# Altium PCB C210_220601.PcbDoc (part 2 of 7)
Units mm, origin at the board's own origin, x right, y up, seen from the top; angles counter-clockwise.
Board outline 68 x 129.5 mm, 6 copper layers (L1, L2, L3, L4, L5, L6), stack 1.64 mm thick; 493 components, 295 nets, 1739 pads, 1829 vias.
Unrouted connection lines stored in the file: 306.
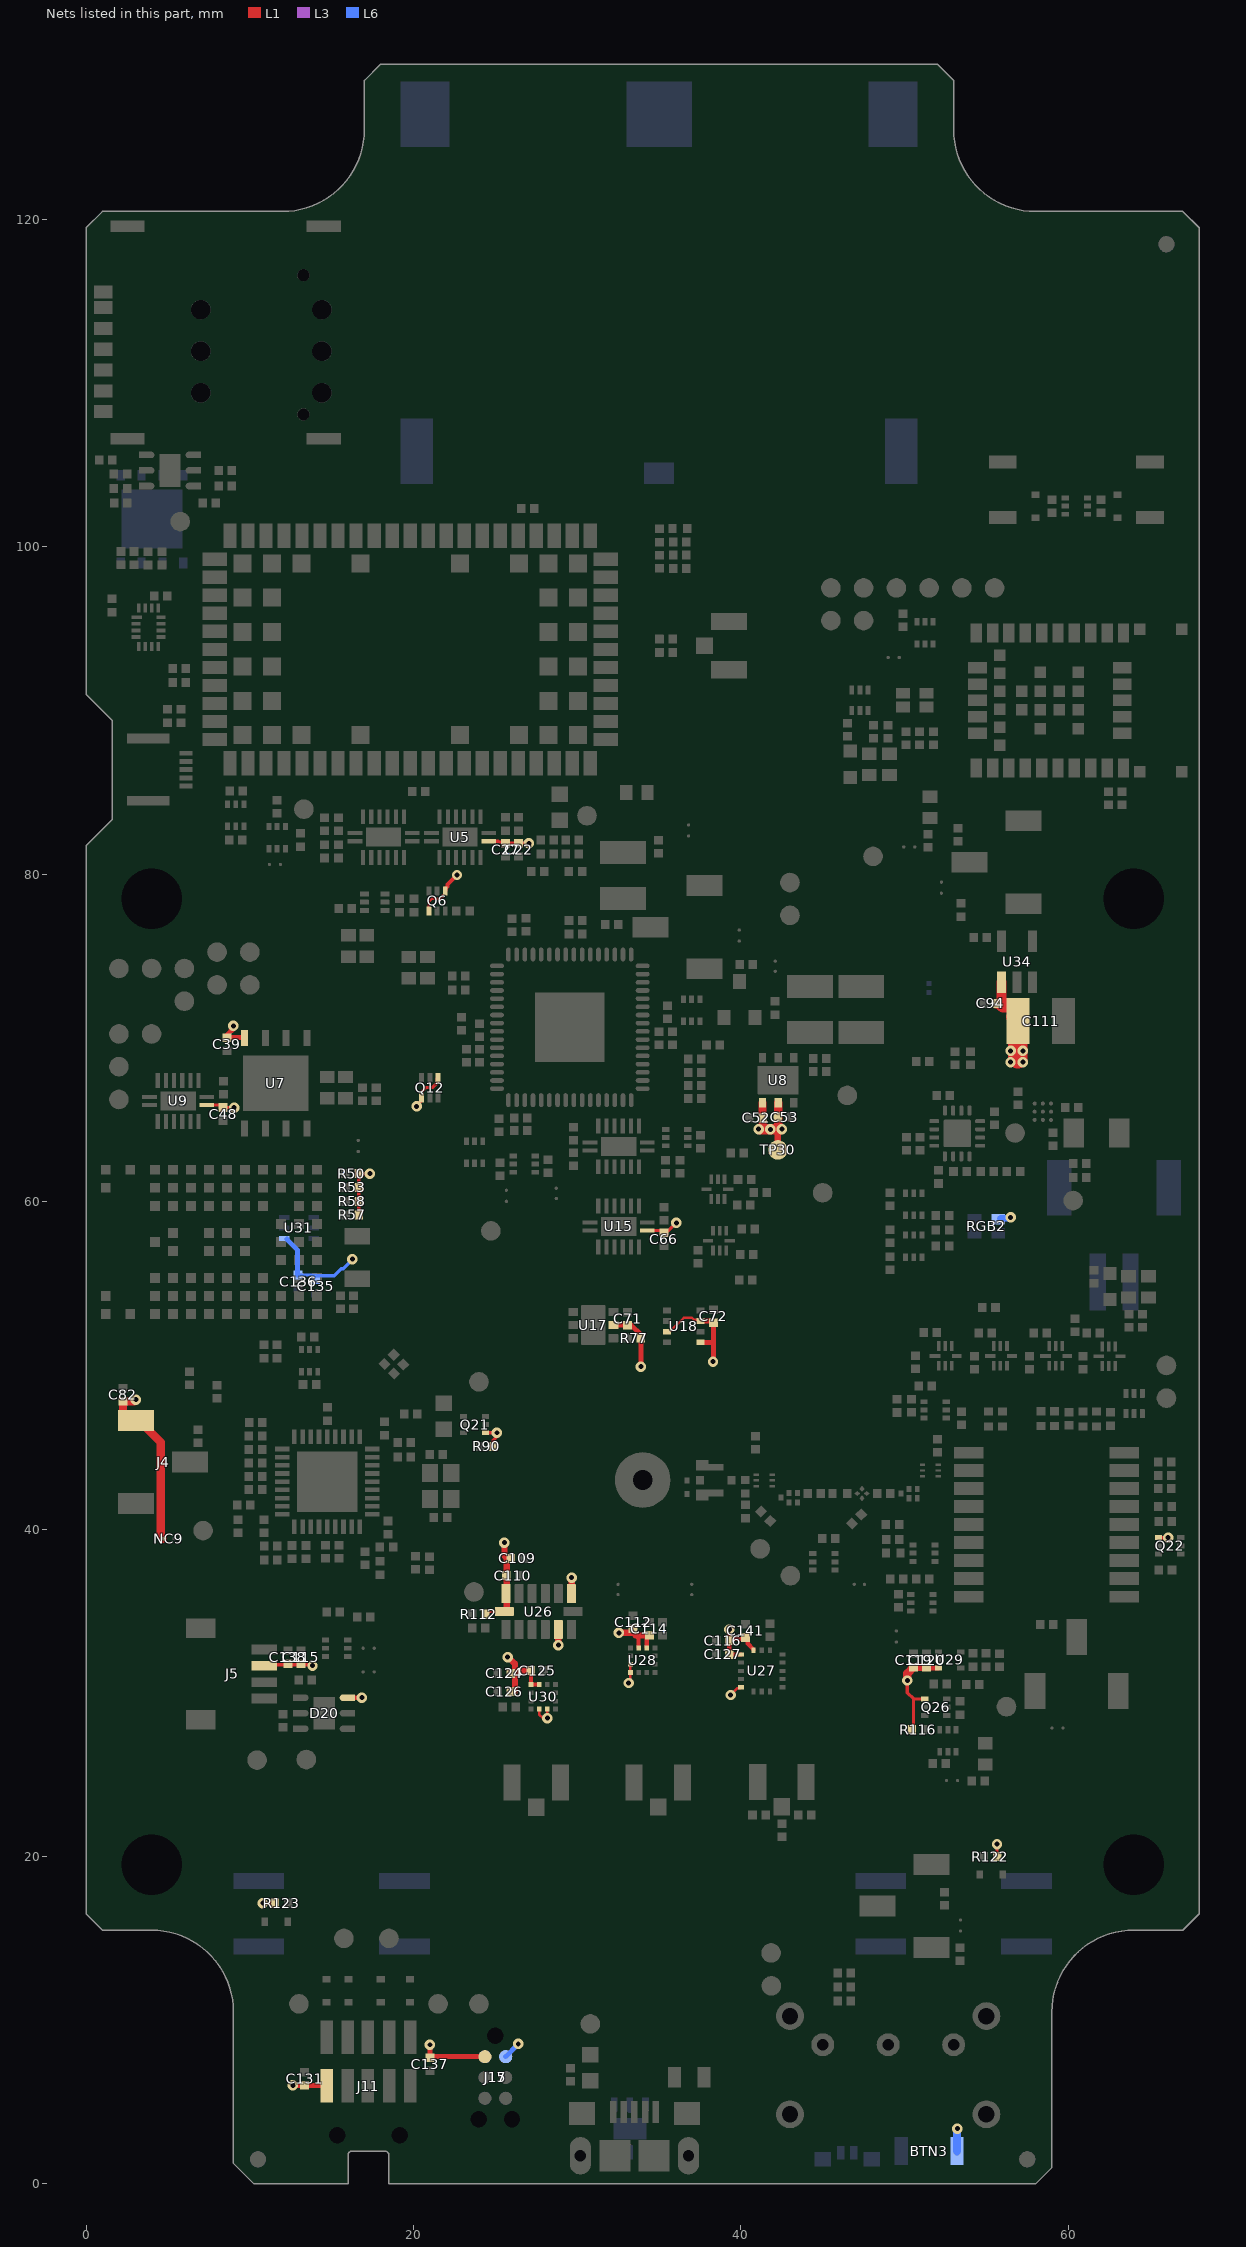
[diagram p6: the nets of this part, all layers, seen from the top]

## Footprints (in the part's own frame and the unit in brackets; to place one, negate y for a bottom-side part, rotate by r counter-clockwise, add the part's x,y. Pads: shape width x height; smd on the part's side, far side on the other; paste and mask are expansions set on the pad) (continued)
QFN0.4P3X1-8PIN [mm]
  rect 0.22x0.65 smd: 1(0,0.625)
  rect 0.6x0.22 smd: 2(-0.6,0.4) 3(-0.6,0) 4(-0.6,-0.4) 6(0.6,-0.4) 7(0.6,0) 8(0.6,0.4)
  rect 0.22x0.6 smd: 5(0,-0.7)
  silkscreen extent -0.63,-0.73 0.63,1.19, body extent -0.65,-0.75 0.65,0.75, height 0.5
QFN0.5P2X6-16PIN_W-PAD [mm]
  rect 0.9x0.25 smd paste-0.025 mask+0.05: 1(-1.75,-0.25) 8(1.75,-0.25) 9(1.75,0.25) 16(-1.75,0.25)
  rect 0.25x0.9 smd paste-0.025 mask+0.05: 2(-1.25,-1.25) 3(-0.75,-1.25) 4(-0.25,-1.25) 5(0.25,-1.25) 6(0.75,-1.25) 7(1.25,-1.25) 10(1.25,1.25) 11(0.75,1.25) 12(0.25,1.25) 13(-0.25,1.25) 14(-0.75,1.25) 15(-1.25,1.25)
  rect 2.15x1.15 smd paste-3 mask+0.05: 17(0,0)
  silkscreen extent -2.5,-1.45 1.95,1.45, body extent -1.8,-1.3 1.8,1.3, height 1
QFN0.5P3X3-16PIN_W-PAD [mm]
  rrect50% 0.6x0.24 smd: 1(-1.4,0.75) 2(-1.4,0.25) 3(-1.4,-0.25) 4(-1.4,-0.75) 9(1.4,-0.75) 10(1.4,-0.25) 11(1.4,0.25) 12(1.4,0.75)
  rrect50% 0.24x0.6 smd: 5(-0.75,-1.4) 6(-0.25,-1.4) 7(0.25,-1.4) 8(0.75,-1.4) 13(0.75,1.4) 14(0.25,1.4) 15(-0.25,1.4) 16(-0.75,1.4)
  rrect10% 1.68x1.68 smd: EPAD(0,0)
  silkscreen extent -1.6,1.1 -1.1,1.6, body extent -1.52,-1.52 1.52,1.52, height 0.9
QFN0.5P9X9-36PIN_W-PAD [mm]
  rect 0.9x0.28 smd: 1(-2.75,2) 2(-2.75,1.5) 3(-2.75,1) 4(-2.75,0.5) 5(-2.75,0) 6(-2.75,-0.5) 7(-2.75,-1) 8(-2.75,-1.5) 9(-2.75,-2) 19(2.75,-2) 20(2.75,-1.5) 21(2.75,-1) 22(2.75,-0.5) 23(2.75,0) 24(2.75,0.5) 25(2.75,1) 26(2.75,1.5) 27(2.75,2)
  rect 0.28x0.9 smd: 10(-2,-2.75) 11(-1.5,-2.75) 12(-1,-2.75) 13(-0.5,-2.75) 14(0,-2.75) 15(0.5,-2.75) 16(1,-2.75) 17(1.5,-2.75) 18(2,-2.75) 28(2,2.75) 29(1.5,2.75) 30(1,2.75) 31(0.5,2.75) 32(0,2.75) 33(-0.5,2.75) 34(-1,2.75) 35(-1.5,2.75) 36(-2,2.75)
  rect 3.7x3.7 smd: 37(0,0)
  silkscreen extent -3.56,-3.43 3.43,3.43, body extent -3.1,-3.1 3.1,3.1, height 0.91
QFN0.5P16X16-64PIN_W-PAD4.25MM [mm]
  oval 0.85x0.28 smd: 1(-4.45,3.75) 2(-4.45,3.25) 3(-4.45,2.75) 4(-4.45,2.25) 5(-4.45,1.75) 6(-4.45,1.25) 7(-4.45,0.75) 8(-4.45,0.25) 9(-4.45,-0.25) 10(-4.45,-0.75) 11(-4.45,-1.25) 12(-4.45,-1.75) 13(-4.45,-2.25) 14(-4.45,-2.75) 15(-4.45,-3.25) 16(-4.45,-3.75) 33(4.45,-3.75) 34(4.45,-3.25) 35(4.45,-2.75) 36(4.45,-2.25) 37(4.45,-1.75) 38(4.45,-1.25) 39(4.45,-0.75) 40(4.45,-0.25) 41(4.45,0.25) 42(4.45,0.75) 43(4.45,1.25) 44(4.45,1.75) 45(4.45,2.25) 46(4.45,2.75) 47(4.45,3.25) 48(4.45,3.75)
  oval 0.28x0.85 smd: 17(-3.75,-4.45) 18(-3.25,-4.45) 19(-2.75,-4.45) 20(-2.25,-4.45) 21(-1.75,-4.45) 22(-1.25,-4.45) 23(-0.75,-4.45) 24(-0.25,-4.45) 25(0.25,-4.45) 26(0.75,-4.45) 27(1.25,-4.45) 28(1.75,-4.45) 29(2.25,-4.45) 30(2.75,-4.45) 31(3.25,-4.45) 32(3.75,-4.45) 49(3.75,4.45) 50(3.25,4.45) 51(2.75,4.45) 52(2.25,4.45) 53(1.75,4.45) 54(1.25,4.45) 55(0.75,4.45) 56(0.25,4.45) 57(-0.25,4.45) 58(-0.75,4.45) 59(-1.25,4.45) 60(-1.75,4.45) 61(-2.25,4.45) 62(-2.75,4.45) 63(-3.25,4.45) 64(-3.75,4.45)
  rect 4.25x4.25 smd paste-2.1: EPAD(0,0)
  silkscreen extent -4.87,-4.72 4.72,4.87, body extent -4.5,-4.5 4.5,4.5, height 0.9
"RES 0201 HD" [mm]
  rect 0.3x0.3 smd mask+0.05: 1(-0.275,0) 2(0.275,0)
  body extent -0.32,-0.16 0.32,0.17, height 0.25
"RES 0402 HD" [mm]
  rect 0.52x0.55 smd: 1(-0.4,0) 2(0.4,0)
  silkscreen extent -0.1,-0.38 0.1,0.38, body extent -0.55,-0.3 0.55,0.3, height 0.4
S2B-PH-SM4-TB [mm]
  rect 1x3.5 smd: 1(1,-3.5) 2(-1,-3.5)
  rect 1.5x3.4 smd: MH1(-3.35,2.25) MH1(3.35,2.25)
  silkscreen extent -4.1,-4.1 4.1,3.8, body extent -3.92,-4.9 3.98,3.7, height 5.61
SARA-XX [mm]
  rect 1.5x0.8 smd paste-1: 1(-6.95,11) 2(-6.95,9.9) 3(-6.95,8.8) 4(-6.95,7.7) 5(-6.95,6.6) 6(-6.95,5.5) 7(-6.95,4.4) 8(-6.95,3.3) 9(-6.95,2.2) 10(-6.95,1.1) 11(-6.95,0) 12(-6.95,-1.1) 13(-6.95,-2.2) 14(-6.95,-3.3) 15(-6.95,-4.4) 16(-6.95,-5.5) 17(-6.95,-6.6) 18(-6.95,-7.7) 19(-6.95,-8.8) 20(-6.95,-9.9) 21(-6.95,-11) 33(6.95,-11) 34(6.95,-9.9) 35(6.95,-8.8) 36(6.95,-7.7) 37(6.95,-6.6) 38(6.95,-5.5) 39(6.95,-4.4) 40(6.95,-3.3) 41(6.95,-2.2) 42(6.95,-1.1) 43(6.95,0) 44(6.95,1.1) 45(6.95,2.2) 46(6.95,3.3) 47(6.95,4.4) 48(6.95,5.5) 49(6.95,6.6) 50(6.95,7.7) 51(6.95,8.8) 52(6.95,9.9) 53(6.95,11)
  rect 0.8x1.5 smd paste-1: 22(-5.5,-11.95) 23(-4.4,-11.95) 24(-3.3,-11.95) 25(-2.2,-11.95) 26(-1.1,-11.95) 27(0,-11.95) 28(1.1,-11.95) 29(2.2,-11.95) 30(3.3,-11.95) 31(4.4,-11.95) 32(5.5,-11.95) 54(5.5,11.95) 55(4.4,11.95) 56(3.3,11.95) 57(2.2,11.95) 58(1.1,11.95) 59(0,11.95) 60(-1.1,11.95) 61(-2.2,11.95) 62(-3.3,11.95) 63(-4.4,11.95) 64(-5.5,11.95)
  rect 1.1x1.1 smd paste-0.025: 65(-5.25,10.25) 66(-3.15,10.25) 67(-1.05,10.25) 68(1.05,10.25) 69(3.15,10.25) 70(5.25,10.25) 71(-5.25,8.45) 72(-3.15,8.45) 73(-1.05,8.45) 74(1.05,8.45) 75(3.15,8.45) 76(5.25,8.45) 77(-5.25,6.65) 78(5.25,6.65) 79(-5.25,3.05) 80(5.25,3.05) 81(-5.25,-3.05) 82(5.25,-3.05) 83(-5.25,-6.65) 84(5.25,-6.65) 85(-5.25,-8.45) 86(-3.15,-8.45) 87(-1.05,-8.45) 88(1.05,-8.45) 89(3.15,-8.45) 90(5.25,-8.45) 91(-5.25,-10.25) 92(-3.15,-10.25) 93(-1.05,-10.25) 94(1.05,-10.25) 95(3.15,-10.25) 96(5.25,-10.25)
  silkscreen extent -8.45,-13 8,13, body extent -8.01,-12.99 7.99,13.01, height 2.21
SIM6065-6-1-14-01-A [mm]
  rect 0.8x1.14 smd: C1(0.25,7.48) C2(-2.29,7.48) C3(-4.83,7.48) C5(1.52,7.48) C6(-1.02,7.48) C7(-3.56,7.48) CD(2.47,7.48)
  rect 0.7x2.1 smd: G1(-6.5,6) G2(6.5,6) G3(-6.5,-6) G4(6.5,-6)
  round 0.75 hole 0.75 unplated: ""(-5,-4.75) ""(3.5,-4.75)
  round 1.2 hole 1.2 unplated: ""(-3.68,-5.88) ""(-3.68,1.52) ""(-1.14,1.52) ""(-1.14,-5.88) ""(1.4,1.52) ""(1.4,-5.88)
  L1 pour cut-out: -2.78,-1.925 -2.78,-5.875 -2.78,-5.964 -2.815,-6.138 -2.882,-6.301 -2.981,-6.449 -3.106,-6.574 -3.254,-6.673 -3.417,-6.74 -3.591,-6.775 -3.68,-6.775 -3.68,-6.775 -3.769,-6.775 -3.943,-6.74 -4.106,-6.673 -4.254,-6.574 -4.379,-6.449 -4.478,-6.301 -4.545,-6.137 -4.58,-5.964 -4.58,-5.875 -4.58,-5.875 -4.58,-1.925 -4.405,-1.75 -2.966,-1.739
  L1 pour cut-out: -0.24,-1.925 -0.24,-5.875 -0.24,-5.964 -0.275,-6.138 -0.342,-6.301 -0.441,-6.449 -0.566,-6.574 -0.714,-6.673 -0.877,-6.74 -1.051,-6.775 -1.14,-6.775 -1.14,-6.775 -1.229,-6.775 -1.403,-6.74 -1.566,-6.673 -1.714,-6.574 -1.839,-6.449 -1.938,-6.301 -2.005,-6.137 -2.04,-5.964 -2.04,-5.875 -2.04,-5.875 -2.04,-1.925 -1.865,-1.75 -0.426,-1.739
  L1 pour cut-out: 2.3,-1.925 2.3,-5.875 2.3,-5.964 2.265,-6.138 2.198,-6.301 2.099,-6.449 1.974,-6.574 1.826,-6.673 1.663,-6.74 1.489,-6.775 1.4,-6.775 1.4,-6.775 1.311,-6.775 1.137,-6.74 0.974,-6.673 0.826,-6.574 0.701,-6.449 0.602,-6.301 0.535,-6.137 0.5,-5.964 0.5,-5.875 0.5,-5.875 0.5,-1.925 0.675,-1.75 2.114,-1.739
  L1 pour cut-out: -2.78,4.988 -2.78,1.525 -2.78,1.436 -2.815,1.263 -2.882,1.099 -2.981,0.951 -3.106,0.826 -3.254,0.728 -3.417,0.66 -3.591,0.625 -3.68,0.625 -3.68,0.625 -3.769,0.625 -3.943,0.66 -4.106,0.727 -4.254,0.826 -4.379,0.951 -4.478,1.099 -4.545,1.263 -4.58,1.436 -4.58,1.525 -4.58,1.525 -4.58,4.995 -4.419,5.156 -2.947,5.154
  L1 pour cut-out: -0.24,4.988 -0.24,1.525 -0.24,1.436 -0.275,1.263 -0.342,1.099 -0.441,0.951 -0.566,0.826 -0.714,0.728 -0.877,0.66 -1.051,0.625 -1.14,0.625 -1.14,0.625 -1.229,0.625 -1.403,0.66 -1.566,0.727 -1.714,0.826 -1.839,0.951 -1.938,1.099 -2.005,1.263 -2.04,1.436 -2.04,1.525 -2.04,1.525 -2.04,4.995 -1.879,5.156 -0.407,5.154
  L1 pour cut-out: 2.3,4.988 2.3,1.525 2.3,1.436 2.265,1.263 2.198,1.099 2.099,0.951 1.974,0.826 1.826,0.728 1.663,0.66 1.489,0.625 1.4,0.625 1.4,0.625 1.311,0.625 1.137,0.66 0.974,0.727 0.826,0.826 0.701,0.951 0.602,1.099 0.535,1.263 0.5,1.436 0.5,1.525 0.5,1.525 0.5,4.995 0.661,5.156 2.133,5.154
  silkscreen extent -6.55,-6.75 6.55,8.7, body extent -6.54,-6.83 6.55,7.75, height 1.38
SKY13585-679LF [mm]
  rect 0.33x0.15 smd mask+0.05: 1(-0.485,0.35) 2(-0.485,0) 3(-0.485,-0.35) 4(0.485,-0.35) 5(0.485,0) 6(0.485,0.35)
  L1 region: -0.075,0.65 0.075,0.65 0.075,-0.65 -0.075,-0.65
  L1 region: -0.21,-0.075 -0.075,-0.198 -0.075,0.198 -0.21,0.075 -0.321,0.075 -0.321,-0.075
  L1 region: 0.075,0.225 0.125,0.175 0.125,-0.175 0.075,-0.225
  silkscreen extent -0.65,0.58 -0.55,0.67, body extent -0.5,-0.5 0.5,0.5, height 0.36
SM04B-SRSS-TB(LF)(SN) [mm]
  rect 0.6x1.55 smd: 1(-1.5,3.875) 2(-0.5,3.875) 3(0.5,3.875) 4(1.5,3.875)
  rect 1.2x1.8 smd: M1(-2.8,0) M2(2.8,0)
  silkscreen extent -2.2,3.7 -2,3.9, body extent -3,-0.69 3,4.26, height 2.96
SOD-523_ALT [mm]
  rect 0.4x0.5 smd: 1(-0.7,0) 2(0.7,0)
  silkscreen extent -0.6,-0.5 0.6,0.5, body extent -0.8,-0.4 0.8,0.4, height 0.7
SOD-923_2 [mm]
  rect 0.36x0.3 smd mask+0.05: 1(-0.42,0) 2(0.42,0)
  silkscreen extent -0.75,-0.25 -0.75,0.25, body extent -0.52,-0.32 0.53,0.32, height 0.44
SOLDERBRIDGE-OPEN [mm]
  round 0.2 smd paste-10: 1(0,0) 2(0.625,0)
  L1 region: 0.236,-0.432 0.16,-0.505 0.042,-0.467 -0.023,-0.424 -0.097,-0.351 -0.15,-0.292 -0.208,-0.193 -0.236,-0.099 -0.231,0.122 -0.206,0.193 -0.122,0.33 -0.038,0.411 0.054,0.469 0.155,0.5 0.206,0.483 0.236,0.43
  L1 region: 0.389,0.432 0.465,0.505 0.583,0.467 0.648,0.424 0.721,0.351 0.775,0.292 0.833,0.193 0.861,0.099 0.856,-0.122 0.831,-0.193 0.747,-0.33 0.663,-0.411 0.571,-0.469 0.47,-0.5 0.419,-0.483 0.389,-0.43
  L1 lines w0.152: 0.159,0.431 ccw(c0.27,0) 0.025,0.371 ccw(c0.27,0) 0,0.353 ccw(c0.27,0) -0.175,0 ccw(c0.27,0) -0.137,-0.178 ccw(c0.27,0) 0,-0.353 ccw(c0.27,0) 0.103,-0.412 ccw(c0.27,0) 0.11,-0.415 ccw(c0.27,0) 0.159,-0.431 ; 0.465,0.431 cw(c0.355,0) 0.774,0.149 cw(c0.355,0) 0.799,0.009 cw(c0.355,0) 0.799,0 cw(c0.355,0) 0.774,-0.149 cw(c0.355,0) 0.762,-0.178 cw(c0.355,0) 0.465,-0.431
SOLDERBRIDGE-SHORT [mm]
  round 0.2 smd paste-10: 1(0,0) 2(0.676,0)
  L1 region: 0.236,-0.432 0.16,-0.505 0.042,-0.467 -0.023,-0.424 -0.097,-0.351 -0.15,-0.292 -0.208,-0.193 -0.236,-0.099 -0.231,0.122 -0.206,0.193 -0.122,0.33 -0.038,0.411 0.054,0.469 0.155,0.5 0.206,0.483 0.236,0.43
  L1 region: 0.44,0.432 0.516,0.505 0.634,0.467 0.698,0.424 0.772,0.351 0.825,0.292 0.884,0.193 0.912,0.099 0.907,-0.122 0.881,-0.193 0.798,-0.33 0.714,-0.411 0.622,-0.469 0.521,-0.5 0.47,-0.483 0.44,-0.43
  L1 lines w0.152: 0.516,0.431 cw(c0.406,0) 0.516,-0.431 ; 0.159,0.431 ccw(c0.27,0) 0.159,-0.431
  L1 lines w0.203: 0.676,0 0,0
SOT-23 [mm]
  rect 0.9x0.8 smd: 1(-1.1,0.95) 2(-1.1,-0.95) 3(1.1,0)
  silkscreen extent -0.7,-1.55 0.7,1.55, body extent -0.7,-1.52 0.7,1.53, height 1.2
SOT-23-5_2 [mm]
  rect 1.3x0.55 smd: 1(-1.25,0.95) 2(-1.25,0) 3(-1.25,-0.95) 4(1.25,-0.95) 5(1.25,0.95)
  silkscreen extent -1.71,1.39 -1.69,1.41, body extent -1.4,-1.45 1.4,1.45, height 1.45
SOT-553 [mm]
  rect 0.45x0.3 smd mask+0.05: 1(-0.675,0.5) 2(-0.675,0) 3(-0.675,-0.5) 4(0.675,-0.5) 5(0.675,0.5)
  silkscreen extent -0.92,-0.85 0.3,1.17, body extent -0.68,-0.85 0.67,0.85, height 0.6
SOT-563 [mm]
  rect 0.45x0.3 smd: 1(-0.675,0.5) 2(-0.675,0) 3(-0.675,-0.5) 4(0.675,-0.5) 5(0.675,0) 6(0.675,0.5)
  silkscreen extent -0.89,-0.85 0.05,1.14, body extent -0.8,-0.8 0.8,0.8, height 0.59
TC2030-IDC-NL [mm]
  round 0.8 smd paste-0.9: 1(-1.27,-0.635) 2(-1.27,0.635) 3(0,-0.635) 4(0,0.635) 5(1.27,-0.635) 6(1.27,0.635)
  round 0 hole 1 unplated paste-1.1: MH1(-2.54,0) MH1(2.54,1.016) MH1(2.54,-1.016)
  L1 pour cut-out: -1.27,0.635 1.27,0.635 1.27,-0.635 -1.27,-0.635
"TC2030-IDC-NL NO HOLE" [mm]
  round 0.8 smd paste-0.9: 1(-1.27,-0.635) 2(-1.27,0.635) 3(0,-0.635) 4(0,0.635) 5(1.27,-0.635) 6(1.27,0.635)
  L1 pour cut-out: -1.27,0.635 1.27,0.635 1.27,-0.635 -1.27,-0.635
TL6120DF300QG [mm]
  rect 3.1x1 smd: 1(-4.45,-2) 2(4.45,-2) 3(-4.45,2) 4(4.45,2)
  silkscreen extent -3.75,-3.5 3.75,3.5, body extent -5,-3.7 5,3.7, height 10.01
TP12R [mm]
  round 1.2 smd paste-10: 1(0,0)
  silkscreen extent -0.8,-0.8 0.8,0.8, body extent -0.6,-0.6 0.6,0.6, height 0.05
TPD3E001DRSR [mm]
  rect 0.75x0.4 smd paste-0.025 mask+0.07: 1(-1.525,0.95) 2(-1.525,0) 3(-1.525,-0.95) 4(1.525,-0.95) 5(1.525,0) 6(1.525,0.95)
  round 0.4 smd paste-0.025 mask+0.07: 1(-1.15,0.95) 2(-1.15,0) 3(-1.15,-0.95) 4(1.15,-0.95) 5(1.15,0) 6(1.15,0.95)
  rect 1.3x2 smd paste-0.15 mask+0.05: EPAD(0,0)
  silkscreen extent -1.8,1.45 -1.7,1.55, body extent -1.51,-1.5 1.51,1.5, height 0.76
U.FL_3PIN [mm]
  rect 1x1.05 smd: 1(0,-1.5)
  rect 1.05x2.2 smd: 2(-1.475,0) 2(1.475,0)
  body extent -1.5,-1.55 1.5,1.55, height 1.24
USB_MICRO_RA_W-2TABS [mm]
  rect 0.4x1.35 smd: 1(-1.3,2.675) 2(-0.65,2.675) 3(0,2.675) 4(0.65,2.675) 5(1.3,2.675)
  oval 1.3x2.3 hole 0.7 slot 1.7 at 90 deg: 6(-3.3,0) 6(3.3,0.001)
  rect 1.6x1.4 smd: 6(-3.2,2.575) 6(3.2,2.575)
  rect 1.9x1.9 smd: 6(-1.2,0) 6(1.2,0)
  silkscreen extent -3.9,1.2 3.9,3.97, body extent -3.9,-2.71 3.95,2.95, height 2.87
WSON1.27P-8PIN_W-PAD [mm]
  rect 0.44x0.98 smd: 1(-1.905,-2.765) 2(-0.635,-2.765) 3(0.635,-2.765) 4(1.905,-2.765) 5(1.905,2.765) 6(0.635,2.765) 7(-0.635,2.765) 8(-1.905,2.765)
  rect 4x3.4 smd paste-4 mask+0: 9(0,0)
  silkscreen extent -2.94,-3.88 2.5,3, body extent -2.5,-3.05 2.5,3.05, height 0.8
XQFN-16 [mm]
  rect 0.65x0.22 smd mask+0.05: 1(-0.725,0.6)
  rect 0.55x0.22 smd mask+0.05: 2(-0.775,0.2) 3(-0.775,-0.2) 4(-0.775,-0.6) 9(0.775,-0.6) 10(0.775,-0.2) 11(0.775,0.2) 12(0.775,0.6)
  rect 0.22x0.55 smd mask+0.05: 5(-0.6,-1.175) 6(-0.2,-1.175) 7(0.2,-1.175) 8(0.6,-1.175) 13(0.6,1.175) 14(0.2,1.175) 15(-0.2,1.175) 16(-0.6,1.175)
  silkscreen extent -1.05,0.95 -0.95,1.05, body extent -0.91,-1.31 0.91,1.31, height 0.56
XTAL_2520_HD [mm]
  rect 1.1x1 smd: 1(-0.8,-0.65) 2(0.8,-0.65) 3(0.8,0.65) 4(-0.8,0.65)
  silkscreen extent -1.77,-1.53 -1.53,-1.28, body extent -1.3,-1.05 1.3,1.05, height 0.55
XTAL_3215 [mm]
  rect 1x1.55 smd: 1(-1.3,0) 2(1.3,0)
  silkscreen extent -1.7,0.97 -1.6,1.07, body extent -1.65,-0.8 1.65,0.8, height 0.9

## Part data
A1: "RF Passive, Antenna, LTE, 600-6000MHz, Monopole", Manufacturer 1=Taoglas, Manufacturer 2=None, Max Operating Temp=85, MFG Package=Custom, Min Operating Temp=-40, RF Freq="698-2700 MHz", Body Size="33mm x 25mm", Height=1.6mm, Item Phase=Unreleased, Manufacturer Part Number 1=PCS.66.A, Manufacturer Part Number 2=None, Part Number=PCS.66.A, Pins=5, Revision=None, Size=Other, SMT Pitch=None, Supplier 2=None, Supplier Part Number 2=None, UBX Code=None, Use in new designs=Yes, Voltage=None
A2: "ANT, THROUGH-HOLE, PATCH, GNSS, BEIDOU, GLONASS, GPS, 5dBi, 25MMx35MMx4MM", Manufacturer 1=Taoglas, Manufacturer 2=None, Max Operating Temp=125, MFG Package=Custom, Min Operating Temp=-55, Supplier Part Number 1=931-1472-ND, Voltage=N/A, Body Size="25mm x 25mm", Height=4mm, Item Phase=Unreleased, Manufacturer Part Number 1=CGGP.25.4.E.02, Manufacturer Part Number 2=None, Part Number=CGGP.25.4.E.02, Pins=1, Revision=None, Size=Other, SMT Pitch=N/A, Supplier 1=Digi-key, Supplier 2=None, Supplier Part Number 2=None, UBX Code=None, Use in new designs=Yes
BTN1 BTN2: "Button, Tactile, SPST, NO, SMT, Vert", Manufacturer 1=E-Switch, Manufacturer 2=None, Part Name="CON HDR 0.1\" 3 Pin 1 Row SMT R/A", Diameter=None, Height=3.05mm, Item Phase="In Production", Manufacturer Part Number 1=TL6120DF300QG, Manufacturer Part Number 2=None, Max Operating Temp=None, Min Operating Temp=None, Part Number=TL6120DF300QG, Pins=3, Revision=0A, Supplier 1=None, Supplier 2=None, Supplier Part Number 1=None, Supplier Part Number 2=None, UBX Code=None, Use in new designs=Yes, Voltage=None
BTN3: "Button SPST-NO Off-MOM, 50mA 12V, Right Angle, SMT", Current=50mA, Manufacturer 1="Omron Electronics Inc-EMC Div", Manufacturer 2=None, Manufacturer Part Number 1=B3U-3000P, Max Operating Temp=70, Min Operating Temp=-25, Part Name="Button Tactile SPST-NO 50mA 3mm RA SMT", Supplier Part Number 1=SW1022CT-ND, Voltage=12VDC, Body Size="3.00mm x 2.50mm", Height=1.35mm, Item Phase="In Production", Manufacturer Part Number 2=None, Part Number=135-00006, Pins=2, Revision=0A, Supplier 1=Digi-Key, Supplier 2=None, Supplier Part Number 2=None, UBX Code=None, Use in new designs=Yes
BTN4 BTN5: "Button, Momentary SPST-NO, 0.05A, 12V, 3mm x 2.5mm", Current=50mA, Manufacturer 1="Omron Electronics Inc-EMC Div", Manufacturer 2=None, Manufacturer Part Number 1=B3U-1000P, Max Operating Temp=70, Min Operating Temp=-25, Part Name="SWITCH TACTILE SPST-NO 0.05A 12V", Supplier Part Number 1=SW1020CT-ND, Voltage=12VDC, Body Size="3mm x 2.5mm", Height=1.2mm, Item Phase="In Production", Manufacturer Part Number 2=None, Part Number=135-00007, Pins=2, Revision=0A, Supplier 1=Digi-Key, Supplier 2=None, Supplier Part Number 2=None, UBX Code=None, Use in new designs=Yes
C1 C4 C5 C6 C7 C10 C12: library part 120-00045, "Cap, Ceramic,  33pF, 50V, 5%, NPO, 0402", Manufacturer 1="Samsung Electro-Mechanics America, Inc", Manufacturer 2="Murata Electronics North America", Manufacturer Part Number 1=CL05C330JB5NNNC, Manufacturer Part Number 2=GRM1555C1H330JA01D, Max Operating Temp=125, Min Operating Temp=-55, Part Name="CAP CER 33PF 50V 5% NP0 0402", Supplier Part Number 1=1276-1272-1-ND, Temperature Coefficient=NP0, Tolerance="+/- 5%", Voltage=50V, Height=0.55mm, Item Phase="In Production", Part Number=120-00045, Pins=2, Revision=0A, Size=0402, Supplier 1=Digi-Key, Supplier 2=Digi-Key, Supplier Part Number 2=490-5936-1-ND, UBX Code=None, Use in new designs=Yes
C2 C8 C9 C13 C17 C18 C19 C20 C22 C30 C33 C39 C40 C42 C44 C45 C46 C48 C50 C51 C53 C56 C59 C60 C64 C65 C66 C67 C68 C69 C70 C71 C72 C73 C74 C75 C76 C77 C78 C79 C80 C81 C83 C85 C87 C89 C90 C91 C95 C101 C108 C110 C113 C114 C115 C117 C120 C125 C127 C131 C132 C136 C137 C141: library part 120-00016, "Cap, Ceramic 0.1uF 10V 10% X5R 0402", Manufacturer="Murata Electronics North America", Manufacturer 2=Yageo, Manufacturer P/N=GRM155R61A104KA01J, Manufacturer P/N 2=CC0402KRX5R6BB104, Part Name="CAP CER 0.1UF 10V 10% X5R 0402", Supplier Part Number 1=490-6297-1-ND, Temperature Coefficient=X5R, Tolerance="+/- 10%", Voltage=10V, Arena Link=https://app.bom.com/a/GYHPV2L2L43KRMBK?v=spec.summary, Component Mounting Type=SMT, Height=0.55mm, Item_Phase=Production, Part Number=120-00016, Part_Type="Ceramic Capacitor", Pins=2, Revision=0A, Size=0402, Supplier 1=Digi-Key, Supplier 2=Digi-Key, Supplier Part Number 2=311-1336-1-ND, Use in new designs=Yes
C3 C11 C16 C29 C31 C38 C47 C52 C55 C57 C58 C61 C84 C94 C109 C112 C116 C124 C126 C128 C135: library part 120-00020, "Cap, Ceramic 4.7uF 10V 20% X5R 0402", Manufacturer 1="Samsung Electro-Mechanics America, Inc", Manufacturer 2=Yageo, Manufacturer Part Number 1=CL05A475MP5NRNC, Manufacturer Part Number 2=CC0402KRX5R6BB475, Max Operating Temp=85, Min Operating Temp=-55, Part Name="CAP CER 4.7uF 10V 20% X5R 0402", Supplier Part Number 1=1276-1482-1-ND, Temperature Coefficient=X5R, Tolerance="+/- 20%", Voltage=10V, Height=0.55mm, Item Phase="In Production", Part Number=120-00020, Pins=2, Revision=0C, Size=0402, Supplier 1=Digi-Key, Supplier 2=Digi-Key, Supplier Part Number 2=311-3477-1-ND, UBX Code=None, Use in new designs=Yes
C14 C15 C21 C23 C27 C28 C34 C35 C36 C63 C82 C86 C92 C93 C96 C100 C107 C122 C123 C129 C130 C138 C139 C140: library part 120-00047, "Cap, Ceramic, 68pF, 50V, 1%, NP0, 0402", Manufacturer 1="Murata Electronics North America", Manufacturer 2="AVX Corporation", Manufacturer Part Number 1=GRM1555C1H680FA01D, Manufacturer Part Number 2=04025A680FAT2A, Max Operating Temp=125, Min Operating Temp=-55, Part Name="CAP CER 68PF 50V 1% NP0 0402", Supplier Part Number 1=490-8219-1-ND, Temperature Coefficient=NP0, Tolerance="+/- 1%", Voltage=50V, Height=0.55mm, Item Phase=Unreleased, Part Number=120-00047, Pins=2, Revision=None, Size=0402, Supplier 1=Digi-Key, Supplier 2=Digi-Key, Supplier Part Number 2=478-7881-1-ND, UBX Code=None, Use in new designs=Yes
C24 C97 C98 C105 C106: library part 120-00010, "CAP CER 1.0nF 50V 10% X7R 0402", Manufacturer 1="TDK Corporation", Manufacturer 2=Kemet, Manufacturer Part Number 1=C1005X7R1H102K050BE, Manufacturer Part Number 2=C0402C102K5RACTU, Max Operating Temp=125, Min Operating Temp=-55, Part Name="CAP CER 1.0NF 50V 10% X7R 0402", Supplier Part Number 1=445-173622-1-ND, Temperature Coefficient=X7R, Tolerance="+/- 10%", Voltage=50V, Height=0.55mm, Item Phase="In Production", Part Number=120-00010, Pins=2, Revision=0D, Size=0402, Supplier 1=Digi-Key, Supplier 2=Digi-Key, Supplier Part Number 2=399-1032-1-ND, UBX Code=None, Use in new designs=Yes
C25 C62 C88 C102: library part 120-00041, "Cap, Ceramic 18pF 50V 5% NP0 0402", Manufacturer 1="NIC Components Inc", Manufacturer 2=CCK, Manufacturer Part Number 1=NMC0402NPO180J50TRPF, Manufacturer Part Number 2=CCK0402NPO5J180PL, Max Operating Temp=125, Min Operating Temp=-55, Part Name="CAP CER 18PF 50V 5% NP0 0402", Temperature Coefficient=NP0, Tolerance="+/- 5%", Voltage=50V, Height=0.55mm, Item Phase="In Production", Part Number=120-00041, Pins=2, Revision=0C, Size=0402, Supplier 1=Arrow, Supplier 2=None, Supplier Part Number 1=NMC0402NPO180J50TRPF, Supplier Part Number 2=None, UBX Code=None, Use in new designs=Yes
C26 C37 C111 C142: library part 120-00223, "100µF ±20% 10V Ceramic Capacitor X5R 1210 (3225 Metric)", Manufacturer 1="Samsung Electro-Mechanics America, Inc.", Manufacturer 2=None, Manufacturer Part Number 1=CL32A107MPVNNNE, Max Operating Temp=85, Min Operating Temp=-55, Part Name="CAP CER 100UF 10V 20% X5R 1210", Supplier Part Number 1="Samsung Electro-Mechanics America, Inc. CL32A107MPVNNNE", Temperature Coefficient=X5R, Tolerance="+/- 20%", Voltage=10V, Height=2.8mm, Item Phase="In Production", Manufacturer Part Number 2=None, Part Number=120-00223, Pins=2, Revision=0A, Size=1210, Supplier 1="Future Electronics", Supplier 2=None, Supplier Part Number 2=None, UBX Code=None, Use in new designs=Yes
C32 C41 C43 C49 C119 C121: library part 120-00017, "Cap, Ceramic, 1.0uF 10V 10% X5R, 0402", Manufacturer="Murata Electronics North America", Manufacturer 2="TDK Corporation", Manufacturer P/N=GRM155R61A105KE15D, Manufacturer P/N 2=C1005X5R1A105K050BB, Part Name="CAP CER 1UF 10V 10% X5R 0402", Supplier Part Number 1=490-3890-1-ND, Temperature Coefficient=X5R, Tolerance="+/- 10%", Voltage=10V, Arena Link=https://app.bom.com/a/1J2AGN6N6PO5C7V9?v=spec.summary, Component Mounting Type=SMT, Height=0.55mm, Item_Phase=Production, Part Number=120-00017, Part_Type="Ceramic Capacitor", Pins=2, Revision=0A, Size=0402, Supplier 1=Digi-Key, Supplier 2=Digi-Key, Supplier Part Number 2=445-4114-1-ND, Use in new designs=Yes
C54 C118: library part 120-00072, "Cap, Ceramic, 0.47UF 10V 10% X5R 0402", Manufacturer 1="Murata Electronics North America", Manufacturer 2="Samsung Electro-Mechanics America, Inc", Manufacturer Part Number 1=GRM155R61A474KE15J, Manufacturer Part Number 2=CL05A474KP5NNNC, Max Operating Temp=85, Min Operating Temp=-55, Part Name="CAP CER 0.47UF 10V 10% X5R 0402", Supplier Part Number 1=490-6305-1-ND, Temperature Coefficient=X5R, Tolerance="+/- 10%", Voltage=10V, Height=0.55mm, Item Phase="In Production", Part Number=120-00072, Pins=2, Revision=0A, Size=0402, Supplier 1=Digi-Key, Supplier 2=Digi-Key, Supplier Part Number 2=1276-1173-1-ND, UBX Code=None, Use in new designs=Yes
C99: library part 120-00081, "Cap, Ceramic 47pF 50V 5% NP0 0402", Manufacturer 1="Murata Electronics North America", Manufacturer 2="Samsung Electro-Mechanics America, Inc", Manufacturer Part Number 1=GRM1555C1H470JA01D, Manufacturer Part Number 2=CL05C470JB5NNNC, Max Operating Temp=125, Min Operating Temp=-55, Part Name="CAP CER 47PF 50V 5% NP0 0402", Supplier Part Number 1=490-5942-1-ND, Temperature Coefficient=NP0, Tolerance="+/- 5%", Voltage=50V, Height=0.55mm, Item Phase="In Production", Part Number=120-00081, Pins=2, Revision=0A, Size=0402, Supplier 1=Digi-Key, Supplier 2=Digi-Key, Supplier Part Number 2=1276-1699-1-ND, UBX Code=None, Use in new designs=Yes
C103 Z1: library part 120-00079, "CAP CER 3.3PF 50V +/-0.25pF NP0 0402", Manufacturer 1="Murata Electronics North America", Manufacturer 2="Samsung Electro-Mechanics America, Inc", Manufacturer Part Number 1=GRM1555C1H3R3CA01D, Manufacturer Part Number 2=CL05C3R3CB5NNNC, Max Operating Temp=125, Min Operating Temp=-55, Supplier Part Number 1=490-5938-1-ND, Temperature Coefficient=NP0, Tolerance=Other, Voltage=50V, Height=0.55mm, Item Phase="In Production", Part Name="CAP CER 3.3PF 50V +/-0.25pF NP0 0402", Part Number=120-00079, Pins=2, Revision=0A, Size=0402, Supplier 1=Digi-Key, Supplier 2=Digi-Key, Supplier Part Number 2=1276-1141-1-ND, UBX Code=None, Use in new designs=Yes
C104: library part 120-00110, "Capacitor, Ceramic, 15pF 5%, 50V, NPO, 0402", Manufacturer 1="Murata Electronics North America", Manufacturer 2=None, Manufacturer Part Number 1=GRM1555C1H150JA01D, Max Operating Temp=125, Min Operating Temp=-55, Part Name="CAP CER 15pF 50V 5% NP0 0402", Supplier Part Number 1=490-5888-1-ND, Temperature Coefficient=NP0, Tolerance="+/- 5%", Voltage=50V, Height=0.55mm, Item Phase="In Production", Manufacturer Part Number 2=None, Part Number=120-00110, Pins=2, Revision=0A, Size=0402, Supplier 1=Digi-Key, Supplier 2=None, Supplier Part Number 2=None, UBX Code=None, Use in new designs=Yes
C133 C134: library part 120-00099, "Cap, Ceramic 300pF 50V 5% NP0 0402", Manufacturer="Murata Electronics North America", Manufacturer 2=CCK, Manufacturer P/N=GRM1555C1H301JA01D, Manufacturer P/N 2=CCK0402NPO5J301PL, Part Name="CAP CER 300pF 50V 5% NP0 0402", Supplier Part Number 1=490-3234-1-ND, Temperature Coefficient=NP0, Tolerance="+/- 5%", Voltage=50V, Alternate Footprint Ref="Cap 0402", Arena Link=https://app.bom.com/a/BTCKQXGXGZYCR3MS?v=spec.summary, Component Mounting Type=SMT, Height=0.55mm, Item_Phase=Production, Part Number=120-00099, Part_Type="Ceramic Capacitor", Pins=2, Revision=0B, Size=0402, Supplier 1=Digi-Key, Use in new designs=Yes